# Altium PCB Nixie_IN12.PcbDoc
Units mm, origin at the board's own origin, x right, y up, seen from the top; angles counter-clockwise.
Board outline 40.25 x 40.25 mm, 4 copper layers (Signal Layer 1, Layer 1, Layer 2, Bottom Layer), stack 1.5 mm thick; 52 components, 44 nets, 150 pads, 77 vias.
Unrouted connection lines stored in the file: 1.
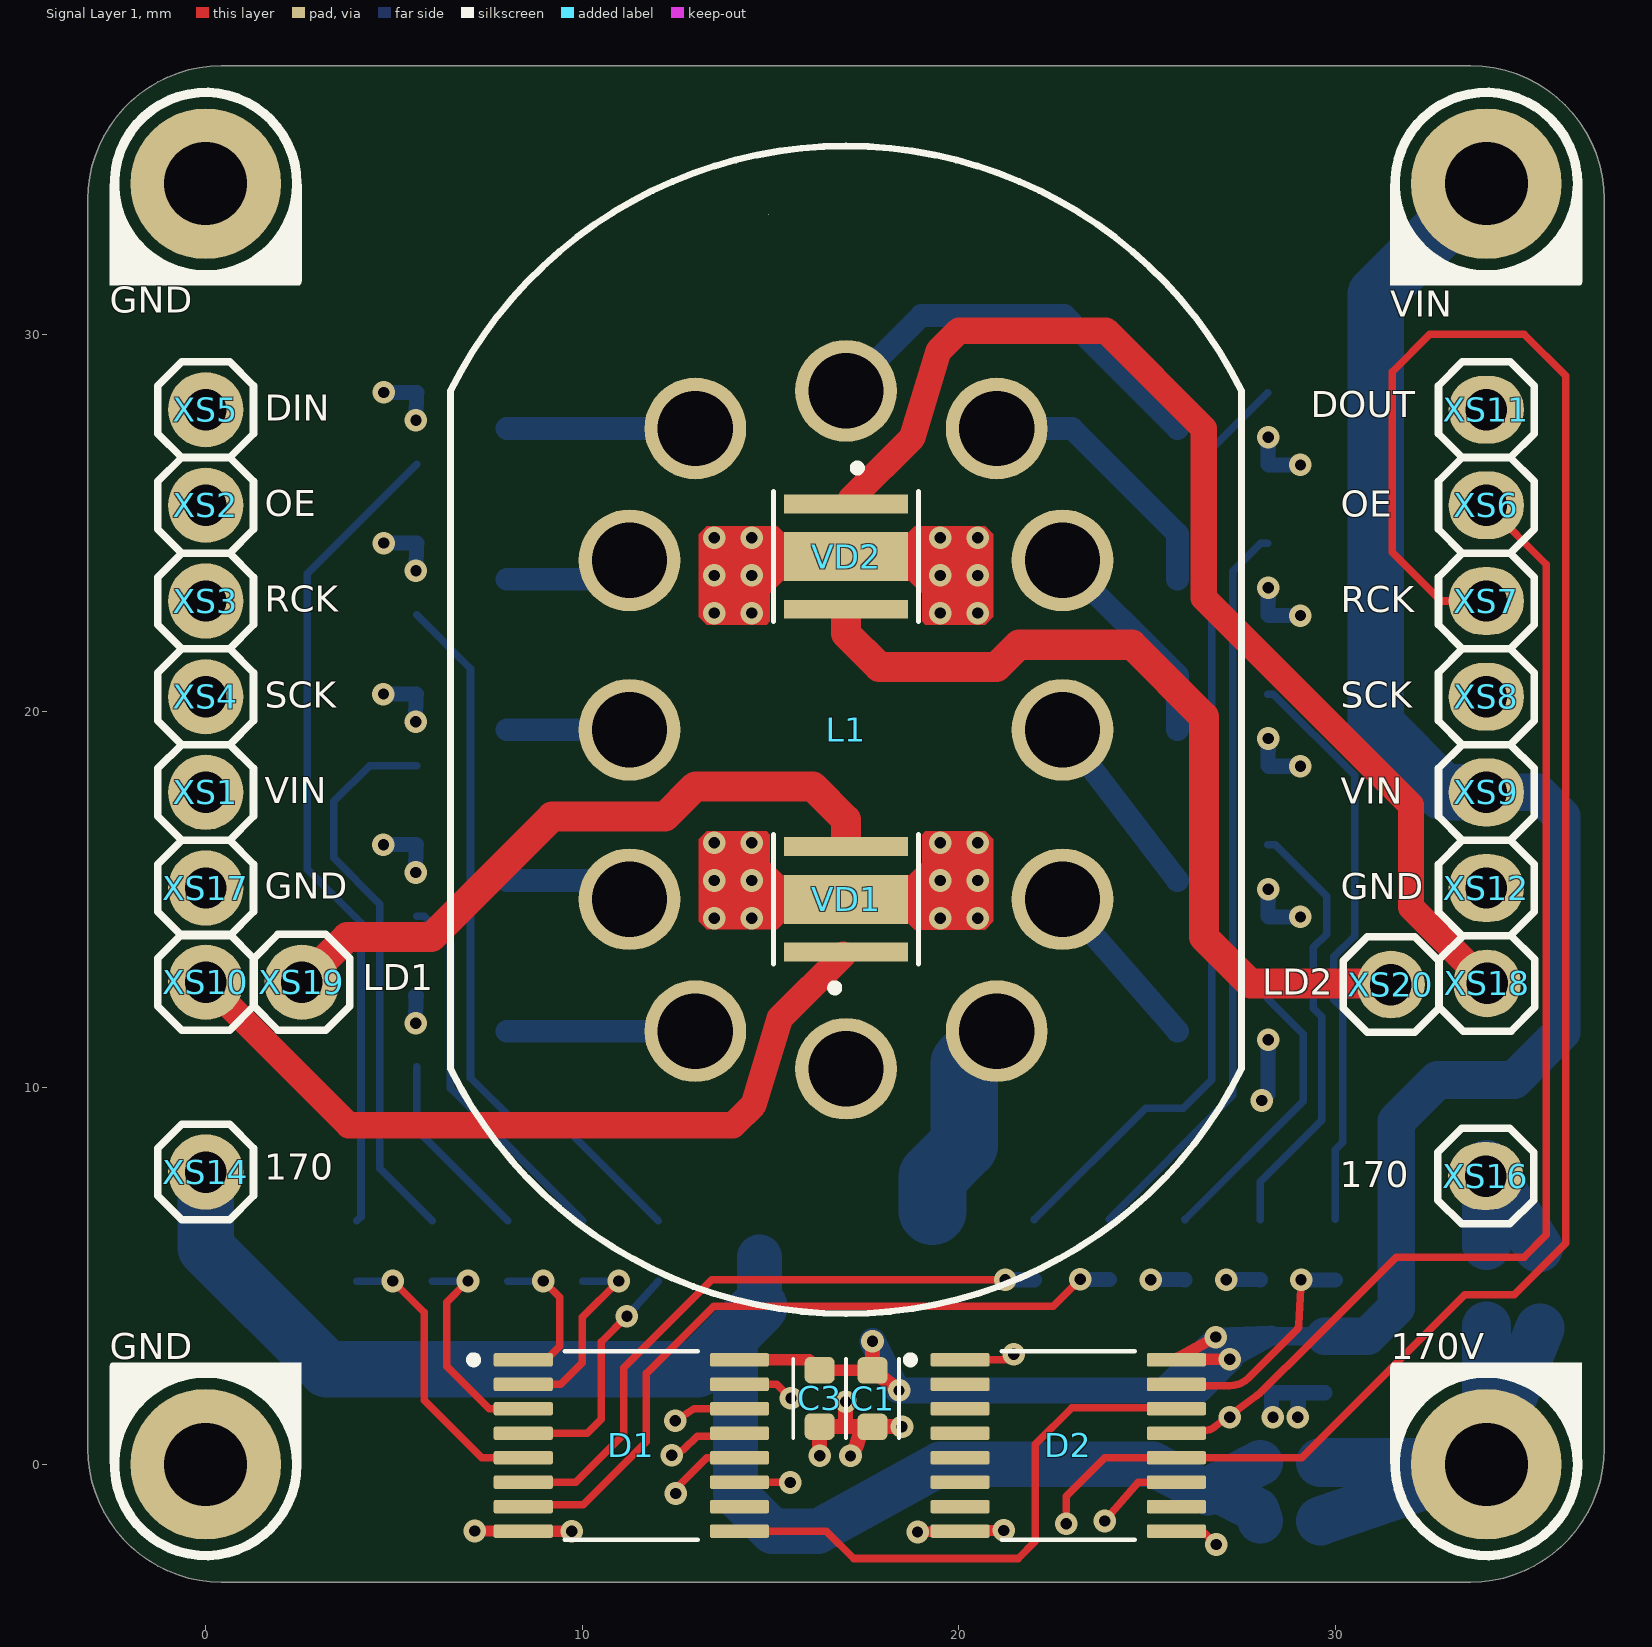
[diagram p0: Signal Layer 1 view]
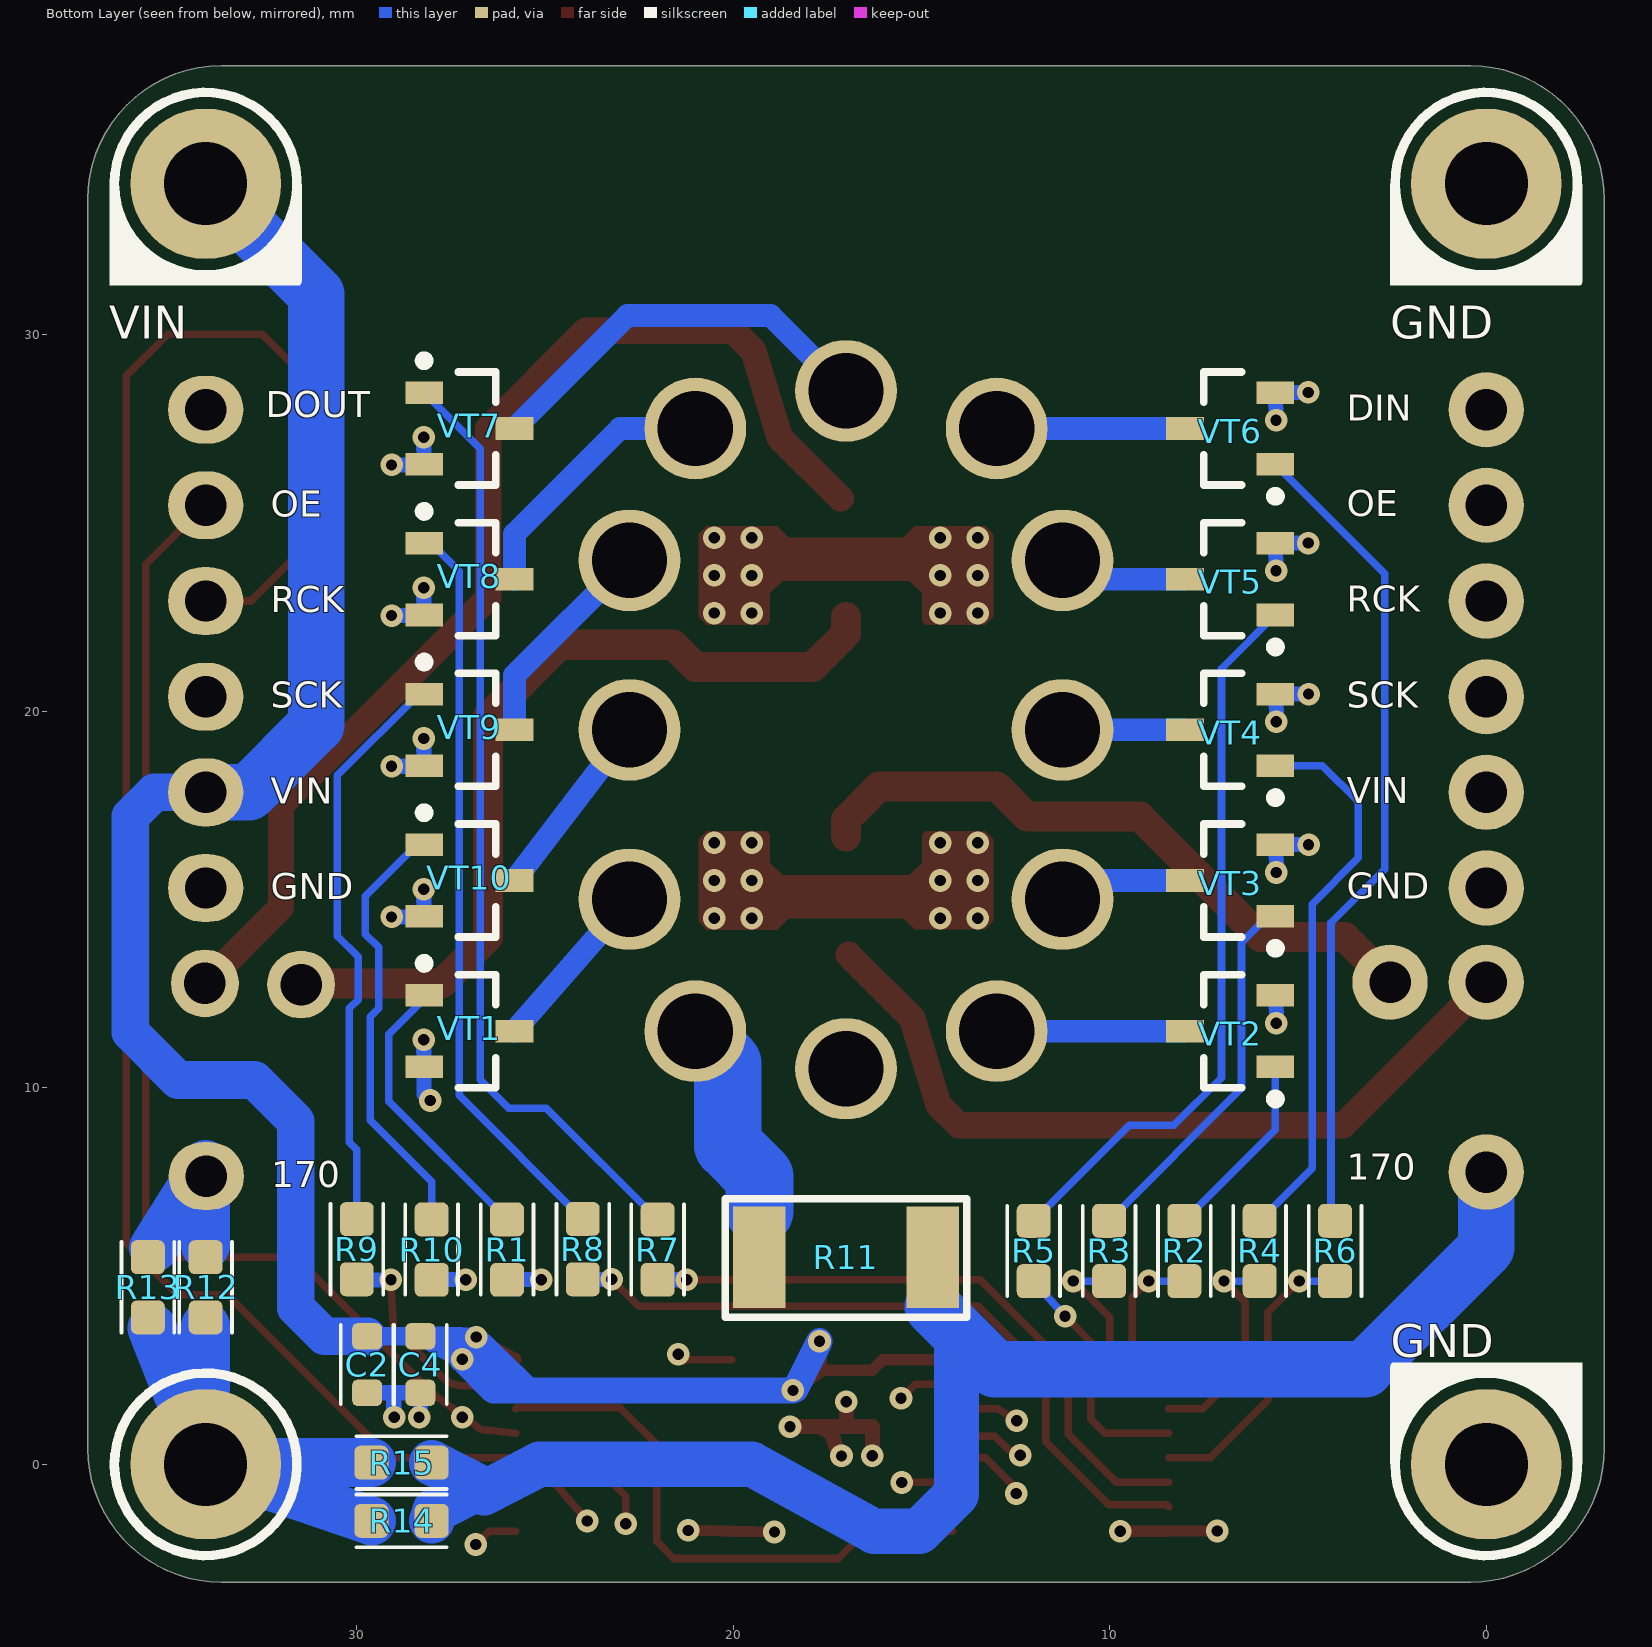
[diagram p1: Bottom Layer view, seen from below]
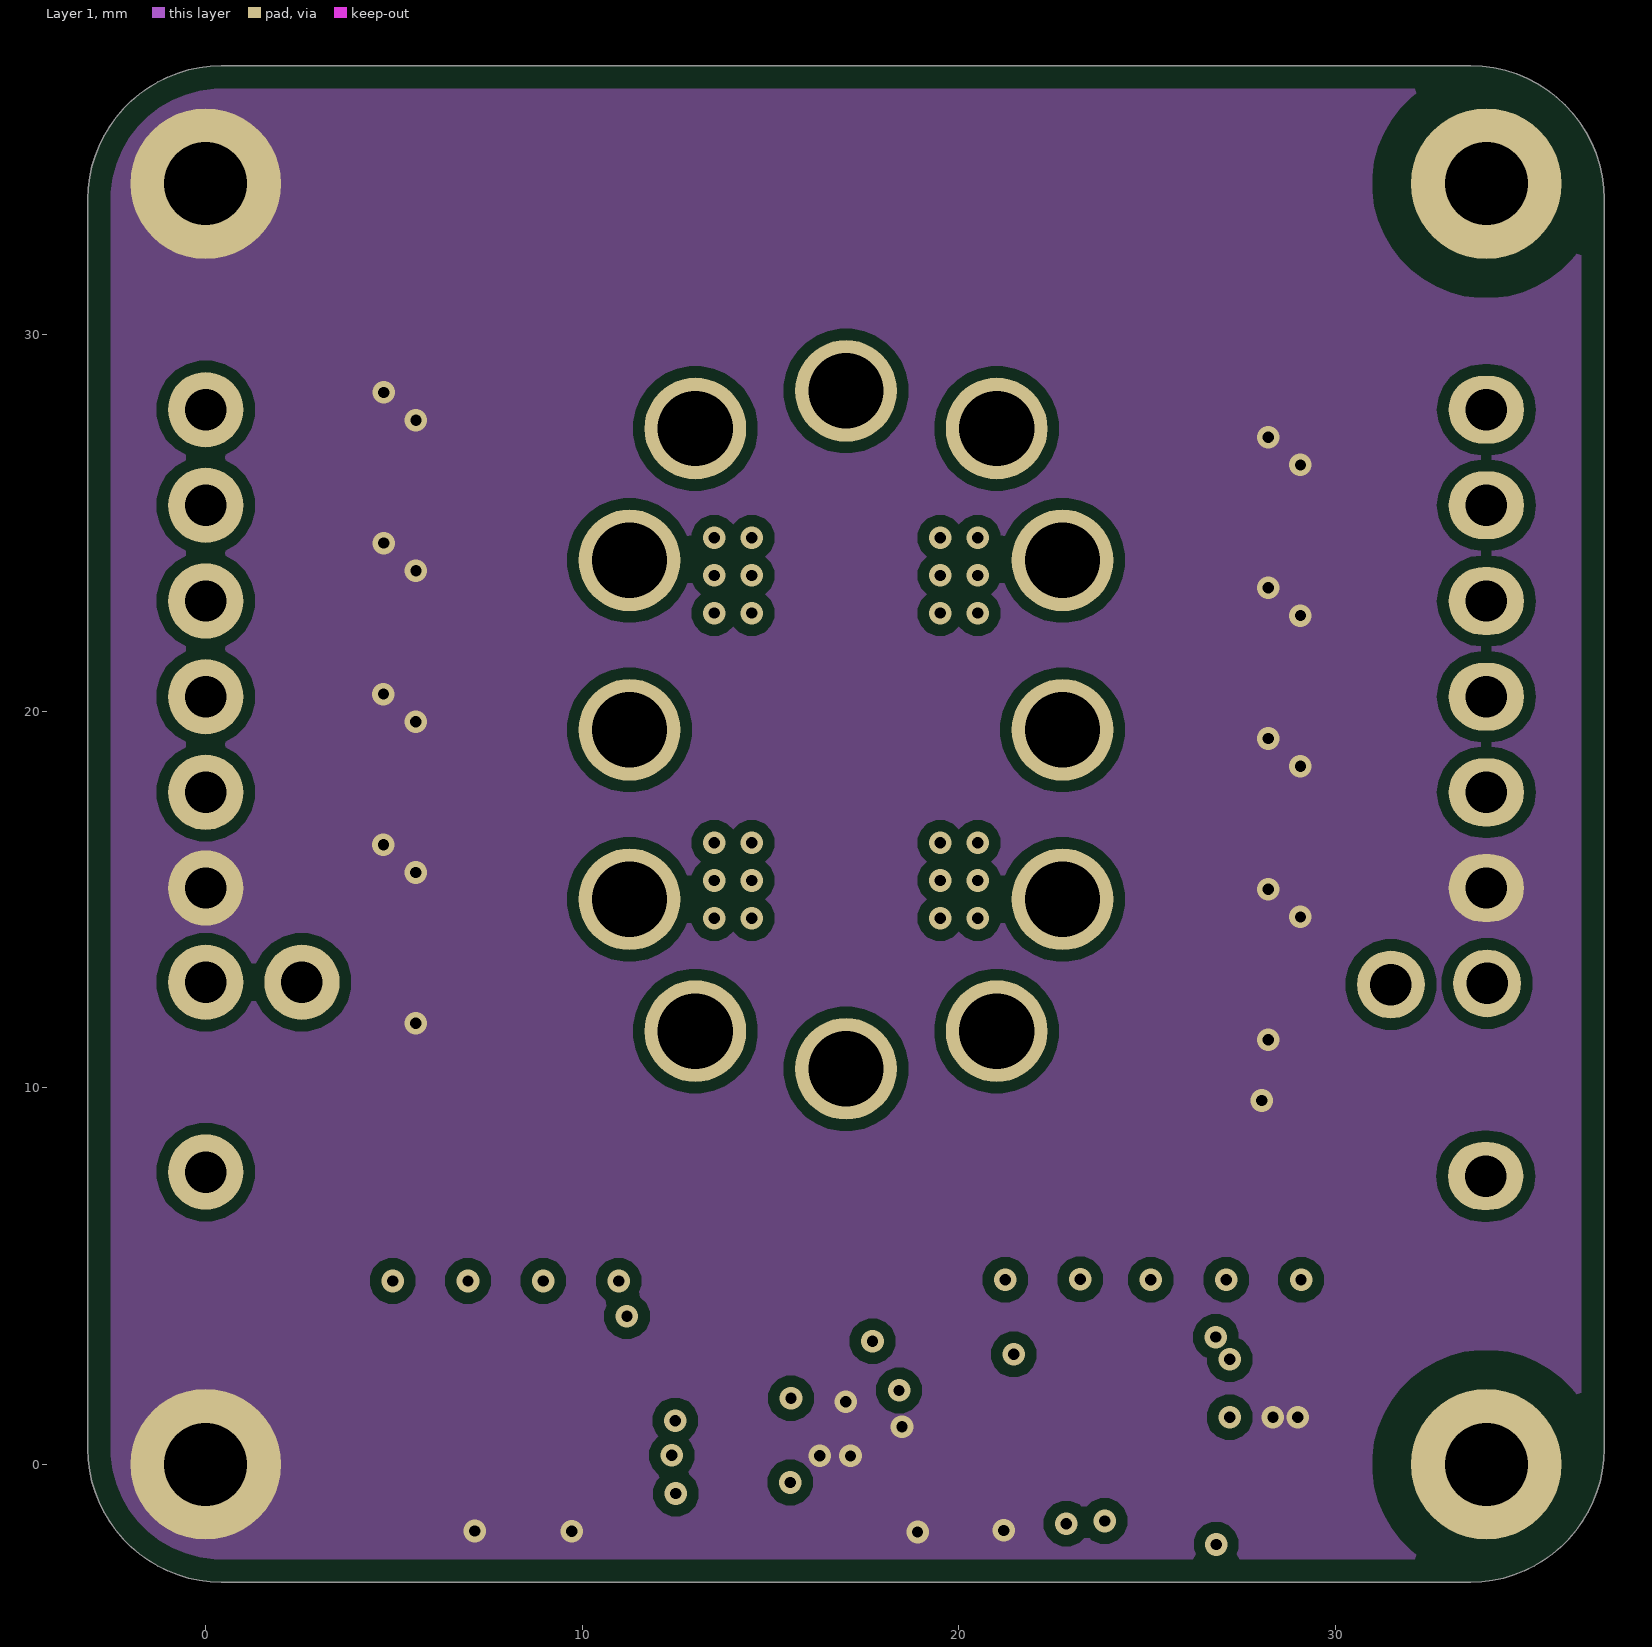
[diagram p2: Layer 1]
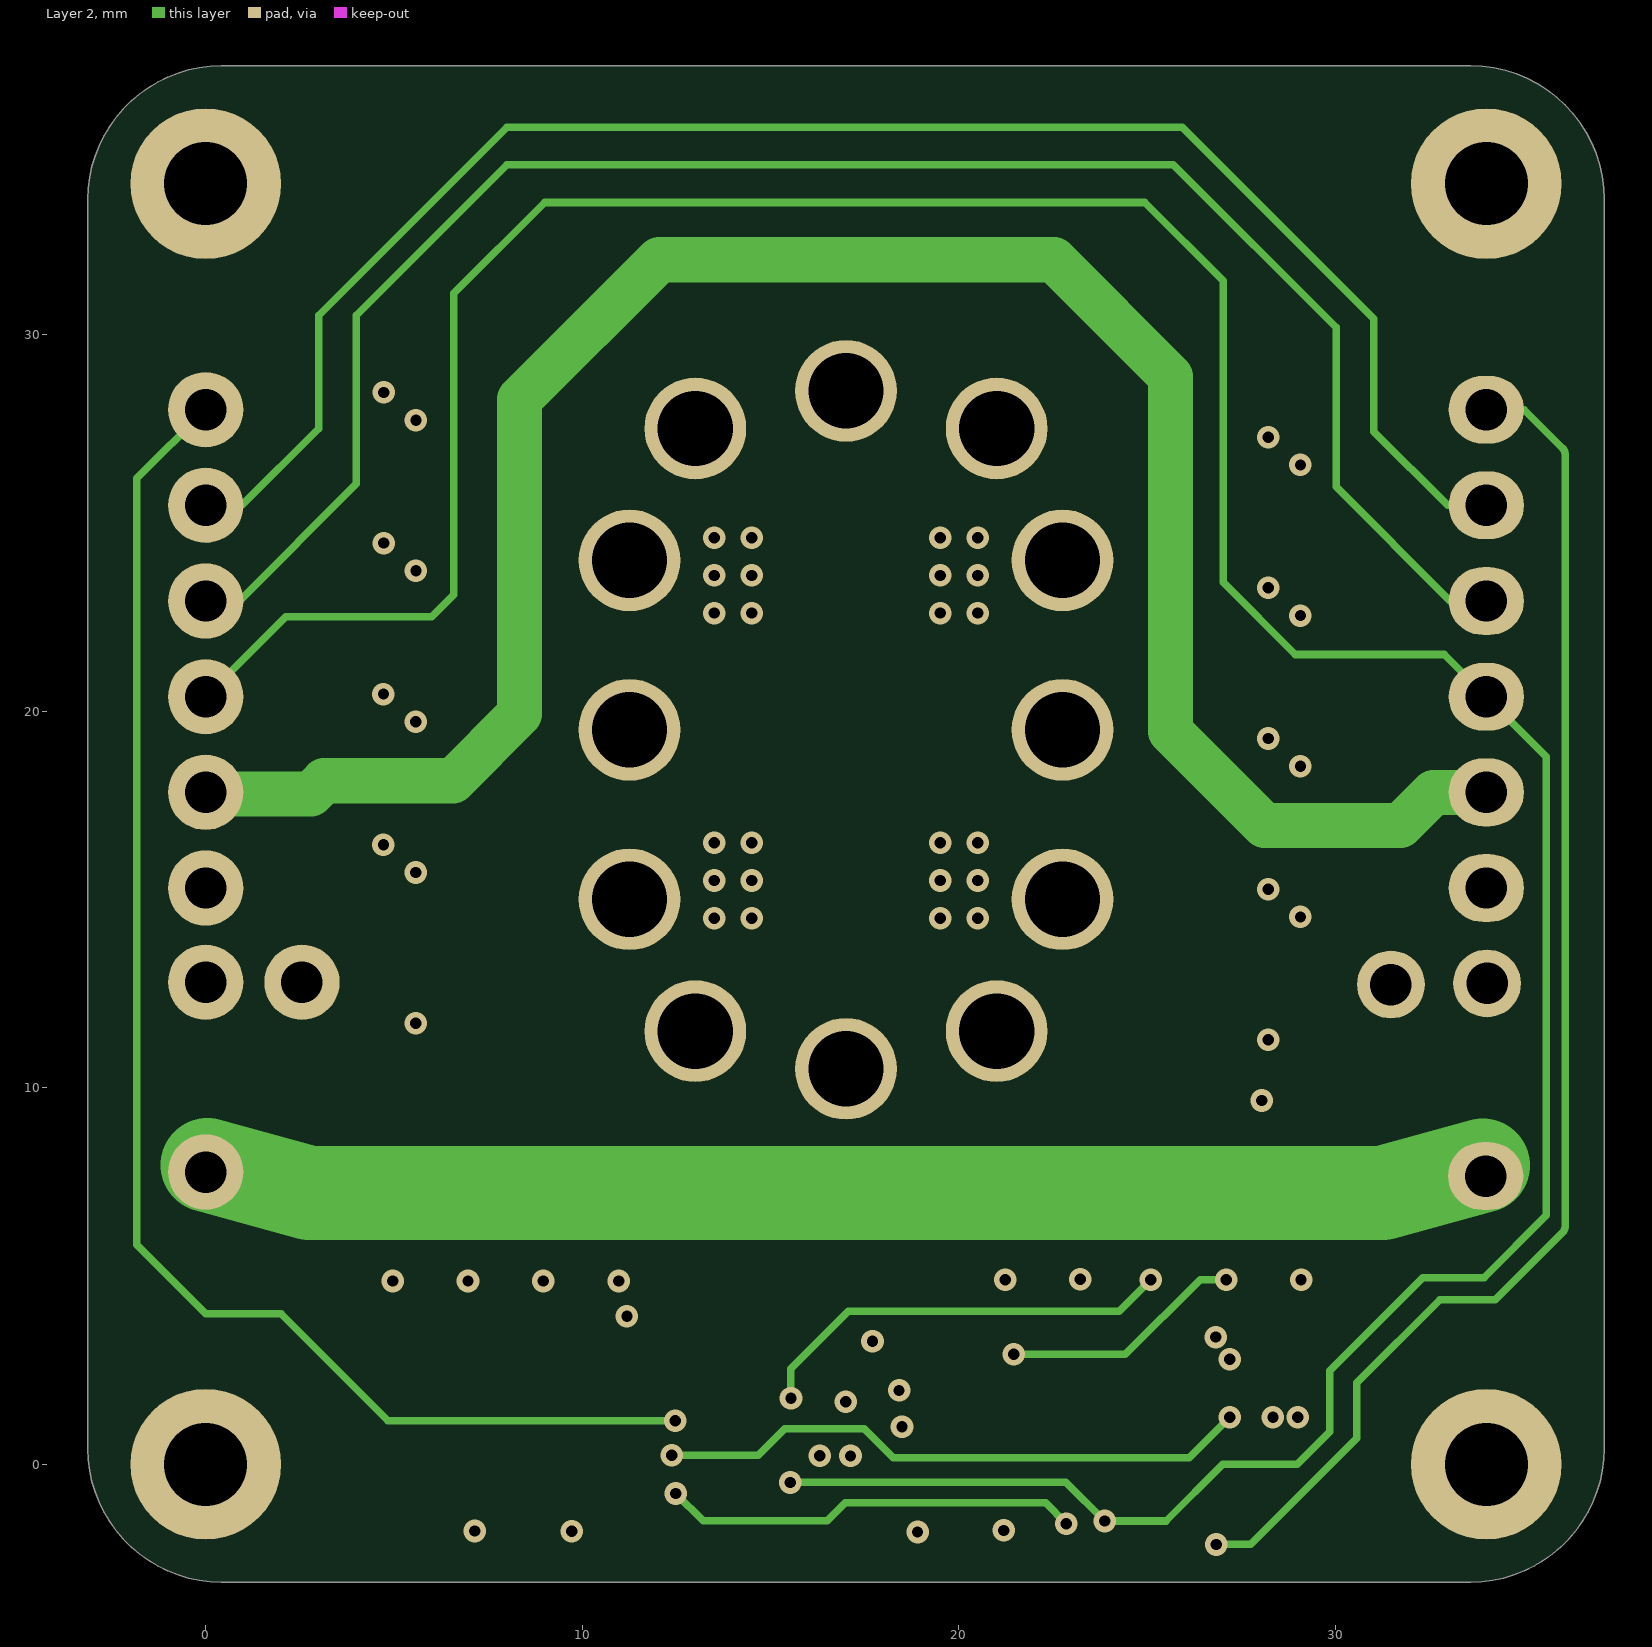
[diagram p3: Layer 2]
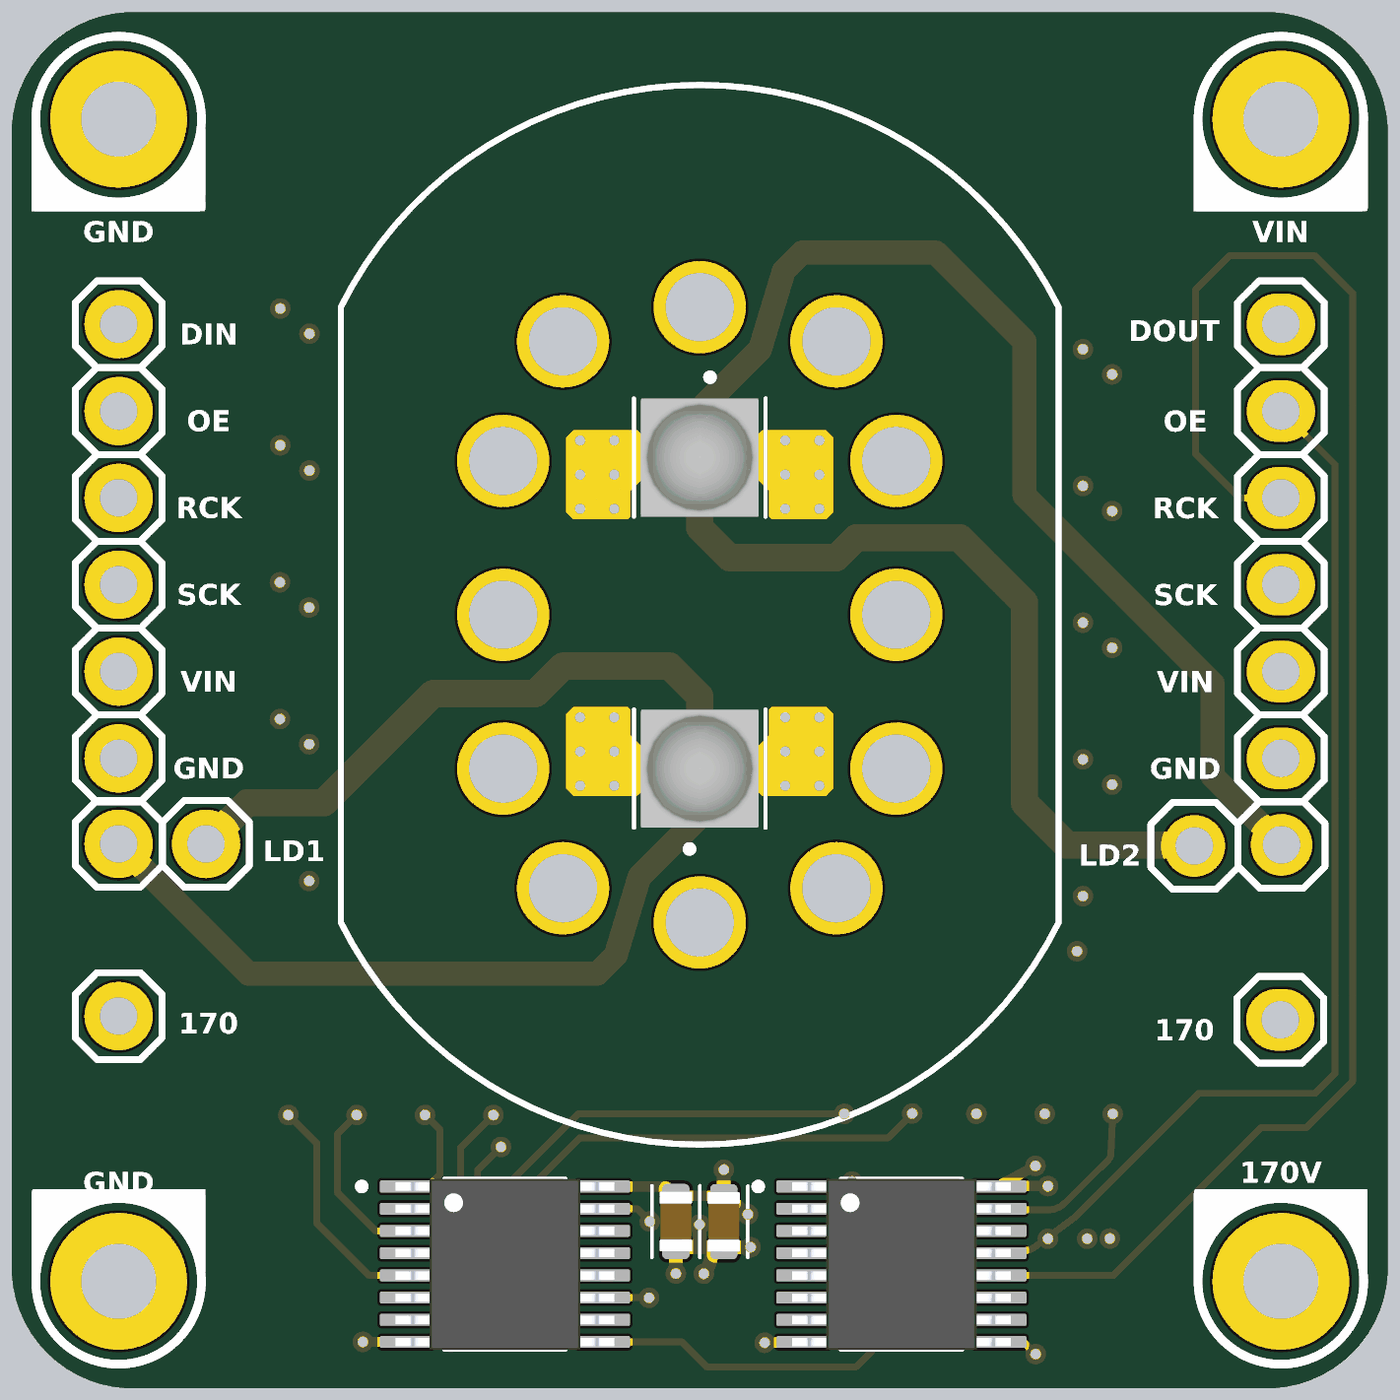
[diagram p4: 3D render of the assembled board from above, using the file's embedded part models]
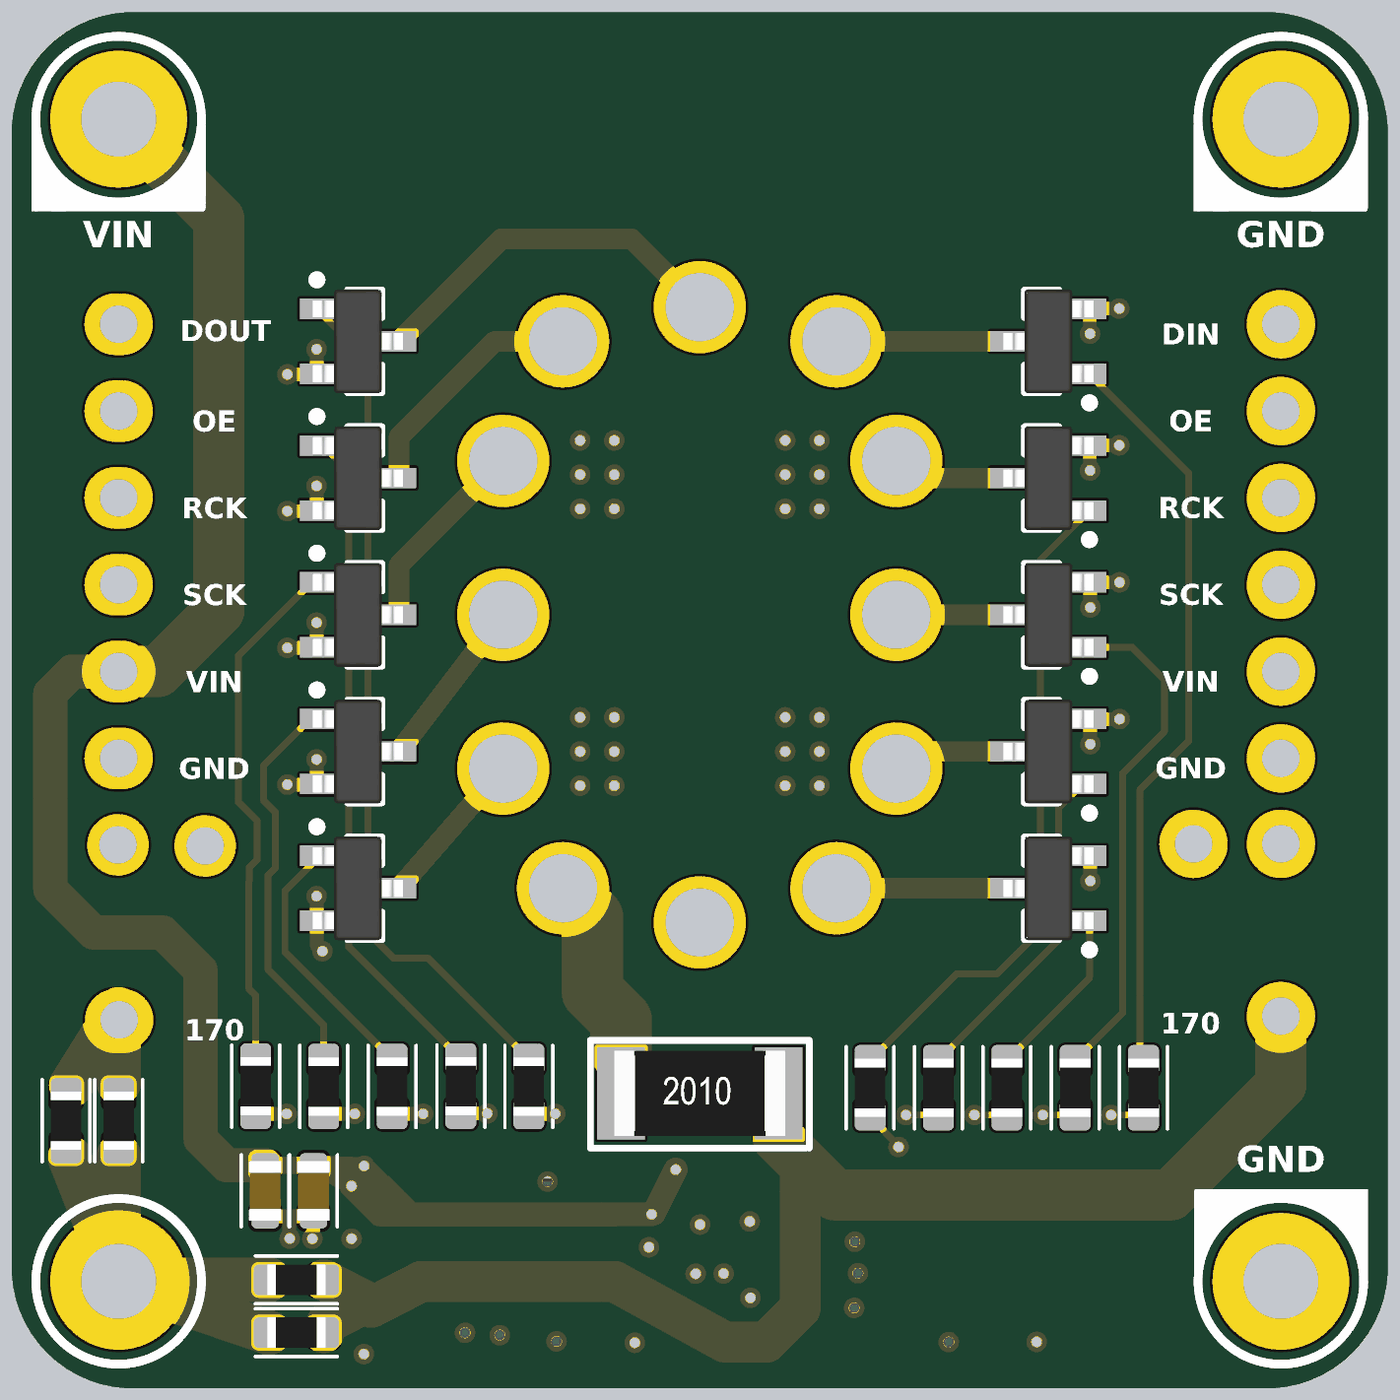
[diagram p5: 3D render of the assembled board from below, using the file's embedded part models]

## Layer stack, top to bottom
Top Solder: solder mask 0.01, Solder Resist, Dk 3.5
Signal Layer 1: signal copper 0.035
Dielectric 2: prepreg 0.115, FR4 2116, Dk 4.2
Layer 1: signal copper 0.035
Dielectric 1: core 1.13, FR4 Tg150, Dk 4.1
Layer 2: signal copper 0.035
Dielectric 3: prepreg 0.115, FR4 2116, Dk 4.1
Bottom Layer: signal copper 0.035
Bottom Solder: solder mask 0.01, Solder Resist, Dk 3.5

## Board outline
-3.127,0.414 ccw(c0.414,0.414) 0.414,-3.127 33.586,-3.127 ccw(c33.586,0.414) 37.127,0.414 37.127,33.586 ccw(c33.586,33.586) 33.586,37.127 0.414,37.127 ccw(c0.414,33.586) -3.127,33.586

## Design rules (kind name [scope] priority, off if disabled: settings)
BoardOutlineClearance [All] p1: gap=0.6 ignorepadtopadclearanceinfootprint=FALSE
Clearance Board [OnLayer('Mechanical 2')] p1: gap=0.5 ignorepadtopadclearanceinfootprint=FALSE except(0: Arc-Hole Track-Hole SMDPad-Hole THPad-Hole Via-Hole Fill-Hole Poly-Hole Region-Hole Text-Hole)
Clearance [All] p2: gap=0.3 ignorepadtopadclearanceinfootprint=FALSE
ComponentClearance [All] p1: gap=0 collisioncheckmode=3 verticalgap=0 showdistances=FALSE
DiffPairsRouting [All] p1: maxlimit=0.254 minlimit=0.254 mostfreqgap=0.254 substack1={F395EEA6-3FEA-43CE-B6E0-8CB6C0DE68A3} toplayer_{f395eea6-3fea-43ce-b6e0-8cb6c0de68a3}_minwidth=0.381 toplayer_{f395eea6-3fea-43ce-b6e0-8cb6c0de68a3}_maxwidth=0.381 toplayer_{f395eea6-3fea-43ce-b6e0-8cb6c0de68a3}_prefwidth=0.381 midlayer1_{f395eea6-3fea-43ce-b6e0-8cb6c0de68a3}_minwidth=0.381 midlayer1_{f395eea6-3fea-43ce-b6e0-8cb6c0de68a3}_maxwidth=0.381 midlayer1_{f395eea6-3fea-43ce-b6e0-8cb6c0de68a3}_prefwidth=0.381 midlayer2_{f395eea6-3fea-43ce-b6e0-8cb6c0de68a3}_minwidth=0.381 midlayer2_{f395eea6-3fea-43ce-b6e0-8cb6c0de68a3}_maxwidth=0.381 midlayer2_{f395eea6-3fea-43ce-b6e0-8cb6c0de68a3}_prefwidth=0.381 bottomlayer_{f395eea6-3fea-43ce-b6e0-8cb6c0de68a3}_minwidth=0.381 bottomlayer_{f395eea6-3fea-43ce-b6e0-8cb6c0de68a3}_maxwidth=0.381 bottomlayer_{f395eea6-3fea-43ce-b6e0-8cb6c0de68a3}_prefwidth=0.381 toplayer_minwidth=0.381 toplayer_maxwidth=0.381 toplayer_prefwidth=0.381 midlayer1_minwidth=0.381 midlayer1_maxwidth=0.381 midlayer1_prefwidth=0.381 midlayer2_minwidth=0.381 midlayer2_maxwidth=0.381 midlayer2_prefwidth=0.381 bottomlayer_minwidth=0.381 bottomlayer_maxwidth=0.381 bottomlayer_prefwidth=0.381 substack2={8E264451-6B6F-4AEF-BE25-3FA629468181} toplayer_{8e264451-6b6f-4aef-be25-3fa629468181}_minwidth=0.381 toplayer_{8e264451-6b6f-4aef-be25-3fa629468181}_maxwidth=0.381 toplayer_{8e264451-6b6f-4aef-be25-3fa629468181}_prefwidth=0.381 midlayer1_{8e264451-6b6f-4aef-be25-3fa629468181}_minwidth=0.381 midlayer1_{8e264451-6b6f-4aef-be25-3fa629468181}_maxwidth=0.381 midlayer1_{8e264451-6b6f-4aef-be25-3fa629468181}_prefwidth=0.381 midlayer2_{8e264451-6b6f-4aef-be25-3fa629468181}_minwidth=0.381 midlayer2_{8e264451-6b6f-4aef-be25-3fa629468181}_maxwidth=0.381 midlayer2_{8e264451-6b6f-4aef-be25-3fa629468181}_prefwidth=0.381 bottomlayer_{8e264451-6b6f-4aef-be25-3fa629468181}_minwidth=0.381 bottomlayer_{8e264451-6b6f-4aef-be25-3fa629468181}_maxwidth=0.381 bottomlayer_{8e264451-6b6f-4aef-be25-3fa629468181}_prefwidth=0.381 substack3={4B01B843-C838-4E2A-A504-E6D8B842CAE6} toplayer_{4b01b843-c838-4e2a-a504-e6d8b842cae6}_minwidth=0.381 toplayer_{4b01b843-c838-4e2a-a504-e6d8b842cae6}_maxwidth=0.381 toplayer_{4b01b843-c838-4e2a-a504-e6d8b842cae6}_prefwidth=0.381 midlayer1_{4b01b843-c838-4e2a-a504-e6d8b842cae6}_minwidth=0.381 midlayer1_{4b01b843-c838-4e2a-a504-e6d8b842cae6}_maxwidth=0.381 midlayer1_{4b01b843-c838-4e2a-a504-e6d8b842cae6}_prefwidth=0.381 midlayer2_{4b01b843-c838-4e2a-a504-e6d8b842cae6}_minwidth=0.381 midlayer2_{4b01b843-c838-4e2a-a504-e6d8b842cae6}_maxwidth=0.381 midlayer2_{4b01b843-c838-4e2a-a504-e6d8b842cae6}_prefwidth=0.381 bottomlayer_{4b01b843-c838-4e2a-a504-e6d8b842cae6}_minwidth=0.381 bottomlayer_{4b01b843-c838-4e2a-a504-e6d8b842cae6}_maxwidth=0.381 bottomlayer_{4b01b843-c838-4e2a-a504-e6d8b842cae6}_prefwidth=0.381 substack4={13A373E5-A3F0-4F58-9A2E-6A10E35ADB22} toplayer_{13a373e5-a3f0-4f58-9a2e-6a10e35adb22}_minwidth=0.381 toplayer_{13a373e5-a3f0-4f58-9a2e-6a10e35adb22}_maxwidth=0.381 toplayer_{13a373e5-a3f0-4f58-9a2e-6a10e35adb22}_prefwidth=0.381 midlayer1_{13a373e5-a3f0-4f58-9a2e-6a10e35adb22}_minwidth=0.381 midlayer1_{13a373e5-a3f0-4f58-9a2e-6a10e35adb22}_maxwidth=0.381 midlayer1_{13a373e5-a3f0-4f58-9a2e-6a10e35adb22}_prefwidth=0.381 midlayer2_{13a373e5-a3f0-4f58-9a2e-6a10e35adb22}_minwidth=0.381 midlayer2_{13a373e5-a3f0-4f58-9a2e-6a10e35adb22}_maxwidth=0.381 midlayer2_{13a373e5-a3f0-4f58-9a2e-6a10e35adb22}_prefwidth=0.381 bottomlayer_{13a373e5-a3f0-4f58-9a2e-6a10e35adb22}_minwidth=0.381 bottomlayer_{13a373e5-a3f0-4f58-9a2e-6a10e35adb22}_maxwidth=0.381 bottomlayer_{13a373e5-a3f0-4f58-9a2e-6a10e35adb22}_prefwidth=0.381 substack5={99483382-A1EF-4ECF-B319-A0B368B90AE1} toplayer_{99483382-a1ef-4ecf-b319-a0b368b90ae1}_minwidth=0.381 toplayer_{99483382-a1ef-4ecf-b319-a0b368b90ae1}_maxwidth=0.381 toplayer_{99483382-a1ef-4ecf-b319-a0b368b90ae1}_prefwidth=0.381 midlayer1_{99483382-a1ef-4ecf-b319-a0b368b90ae1}_minwidth=0.381 midlayer1_{99483382-a1ef-4ecf-b319-a0b368b90ae1}_maxwidth=0.381 midlayer1_{99483382-a1ef-4ecf-b319-a0b368b90ae1}_prefwidth=0.381 midlayer2_{99483382-a1ef-4ecf-b319-a0b368b90ae1}_minwidth=0.381 midlayer2_{99483382-a1ef-4ecf-b319-a0b368b90ae1}_maxwidth=0.381 midlayer2_{99483382-a1ef-4ecf-b319-a0b368b90ae1}_prefwidth=0.381 bottomlayer_{99483382-a1ef-4ecf-b319-a0b368b90ae1}_minwidth=0.381 bottomlayer_{99483382-a1ef-4ecf-b319-a0b368b90ae1}_maxwidth=0.381 bottomlayer_{99483382-a1ef-4ecf-b319-a0b368b90ae1}_prefwidth=0.381 maxuncoupledlength=12.7